# Altium PCB MotorBoard.PcbDoc (part 2 of 2)
Units mm, origin at the board's own origin, x right, y up, seen from the top; angles counter-clockwise.
Board outline 21 x 37.5 mm, 8 copper layers (Top Layer, GND 1, Layer 3, PWR 1, GND 2, Layer 4, PWR 2, Bottom Layer), stack 1.994 mm thick; 130 components, 81 nets, 481 pads, 304 vias.
Unrouted connection lines stored in the file: 4.
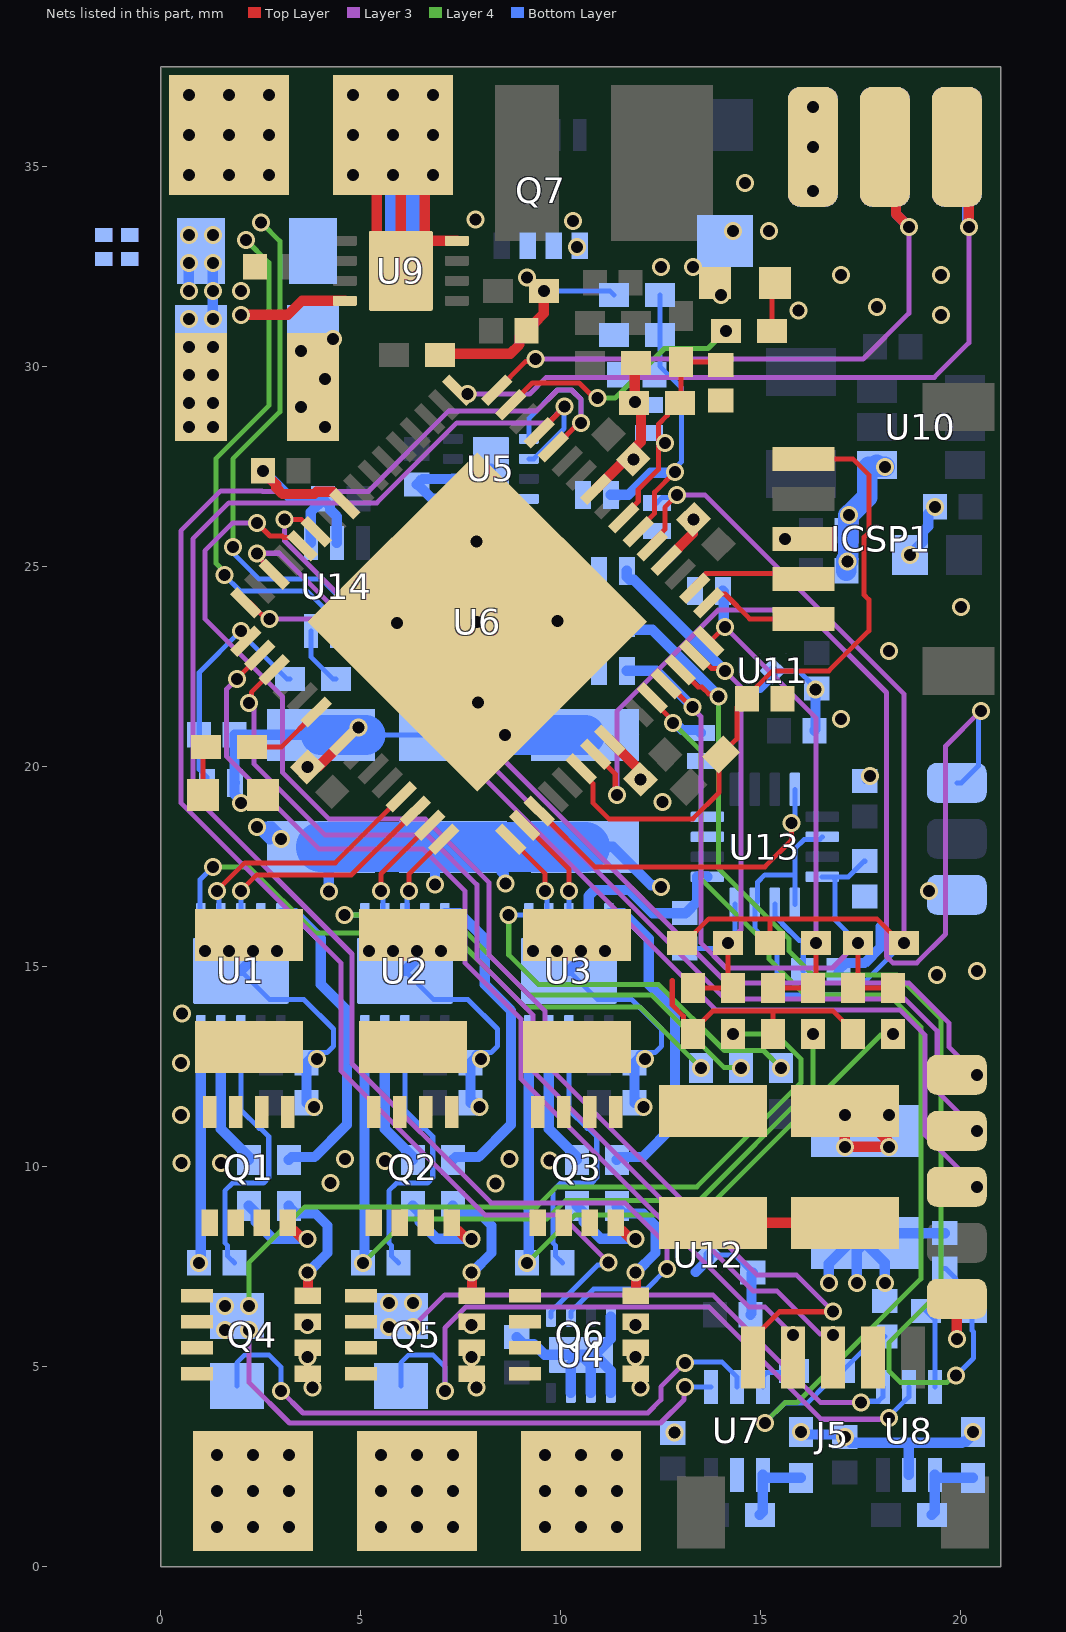
[diagram p8: the nets of this part, all layers, seen from the top]

## Via types
v1: diameter 0.45, hole 0.3, Top Layer to Bottom Layer, tented both sides, 304 vias

## Nets (pads, with @x,y where several pads share a name; then routed paths per layer and width w, separated by ;. In a path a pad name is that pad's centre, name@x,y a point inside that pad or via, vN(x,y) a via of type N, cw(c..) or ccw(c..) an arc to the next point about the centre after c; other vN are vias at no path point) (continued)
COMP_OUT_W: U6.4 U13.16 | length 8.5
  Top Layer w0.127: U6.4@9.456,18.896 10.851,17.5 15.1,17.5 15.766,18.166 v1(15.766,18.6)
  Bottom Layer w0.127: v1(15.766,18.6) 15.766,18.687 15.85,18.772 U13.16@15.85,19.435
DEBUG_LED0: R33.1 U6.54 | length 2
  Top Layer w0.127: R33.1@2.275,20.5 3.02,20.5 U6.54@3.891,21.371
DEBUG_LED1: R38.1 U6.31 | length 6.5
  Top Layer w0.127: U6.31@8.749,29.057 9.292,29.6 10.455,29.6 10.834,29.222 v1(10.921,29.222)
  Layer 4 w0.127: v1(10.921,29.222) 11.359,29.222 12.593,30.456 13.681,30.456 v1(14.125,30.9)
EN_U: R3.1 U1.6 | length 15.6
  Layer 4 w0.127: v1(1.3,17.5) 2.2,17.5 3.852,15.848 7.252,15.848 9.1,14 11.975,14 v1(13.5,12.475)
  Bottom Layer w0.127: U1.6@1,16.3 0.984,16.316 0.984,17.184 v1(1.3,17.5)
EN_V: R9.1 U2.6 | length 12
  Layer 4 w0.127: v1(4.598,16.3) 7.2,16.3 9.2,14.3 12.263,14.3 14.084,12.478 14.497,12.478 v1(14.5,12.475)
  Bottom Layer w0.127: v1(4.598,16.3) U2.6@5.1,16.3
EN_W: R14.1 U3.6 | length 9.5
  Layer 4 w0.127: v1(8.698,16.3) 8.698,15.302 9.446,14.554 12.446,14.554 14.091,12.909 15.065,12.909 v1@15.497,12.478
  Bottom Layer w0.127: v1(8.698,16.3) U3.6@9.2,16.3
  other v1: 15.5,12.475
ENC.A: J5.3 U6.51 | length 25
  Top Layer w0.127: v1(2.2,21.6) 2.262,21.662 2.262,21.863 U6.51@2.83,22.431
  Layer 3 w0.127: v1(2.2,21.6) 2.325,21.6 2.325,20.075 4.1,18.3 6.653,18.3 7.9,17.053 7.9,15.2 9.3,13.8 9.3,12.4 14.8,6.9 15.4,6.9 16.483,5.817 16.783,5.817 v1(16.8,5.8)
ENC.B: J5.4 U6.50 | length 25.5
  Top Layer w0.127: v1(1.9,22.2) 1.9,22.204 2.477,22.781 U6.50@2.477,22.785 ; J5.4@15.8,5.232 v1(15.8,5.8)
  Layer 3 w0.127: v1(1.9,22.2) 1.646,21.946 1.646,20.254 3.951,17.949 6.551,17.949 7.6,16.9 7.6,15.1 9,13.7 9,12.2 14.7,6.5 15.1,6.5 v1(15.8,5.8)
ENC.I: J5.5 U6.44 | length 33.3
  Top Layer w0.127: v1(2.4,26.1) 2.731,25.769 3.036,25.769 3.071,25.733 3.325,25.733 U6.44@3.537,25.521 ; J5.5@14.8,5.232 14.8,5.707 15.47,6.377 v1(16.811,6.377)
  Layer 3 w0.127: v1(2.4,26.1) 1.8,26.1 1.1,25.4 1.1,23.7 3.039,21.761 3.039,19.861 4.2,18.7 6.612,18.7 8.2,17.112 8.2,15.3 9.6,13.9 9.6,12.6 14.9,7.3 15.888,7.3 v1(16.811,6.377)
GND: C2.2 C3.2 C5.2 C6.2 C8.2 C9.2 C10.1 C11.1 C12.1 C13.1 C14.1 C15.1 C16.1 C17.1 C18.2 C20.1 C21.1 C22.1 C23.1 C24.1 C25.2 C28.1 C29.1 C30.1 C31.1 C32.1 C33.1 C34.1 C35.1 C36.1 C37.2 C38.1 C41.1 C42.1 C43.1 C44.1 C45.1 C46.1 C47.1 C48.1 C49.1 C50.2 C51.2 C52.2 C53.2 D1.1 D2.1 D3.1 D4.1 D5.1 D6.1 D7.1 D8.1 D9.2 D10.1 D11.2 D12.1 ICSP1.3 J5.2 pad.1@5.8,35.8 pad.1@16.3,35.5 pad.1@19.9,6.7 pad.1@19.9,16.8 Q4.1 Q4.2 Q4.3 Q5.1 Q5.2 Q5.3 Q6.1 Q6.2 Q6.3 R10.1 R16.1 R20.1 R29.2 R30.2 R46.1 R47.1 R48.1 U1.9 U1.11 U2.9 U2.11 U3.9 U3.11 U4.4 U4.5 U4.6 U4.7 U4.9 U5.4 U5.5 U5.6 U5.9 U6.9 U6.20 U6.25 U6.41 U6.56 U6.65 U7.2 U8.2 U9.4 U9.9 U10.4 U11.2 U11.5 U12.2 U12.5 U13.9 U13.11 U13.12 U14.1 U14.2 | length 113.6
  Top Layer w0.127: 12.785,14.653 12.785,14.046 13.064,13.767 13.064,13.637 R46.1@13.3,13.4 ; R46.1@13.3,13.325 R46.1@13.3,13.4 ; R47.1@15.3,13.325 15.3,13.89 ; R48.1@17.3,13.325 17.3,13.4 16.81,13.891 15.3,13.891 ; R46.1@13.3,13.4 13.791,13.891 15.3,13.891
  Top Layer w0.254: v1(2,19.1) 2.35,19.1 D9.2@2.55,19.3 ; v1(2.56,27.4) 2.56,27.38 2.886,27.054 2.886,26.975 3.04,26.821 3.84,26.821 3.898,26.878 4.297,26.878 4.594,26.582 U6.41@4.598,26.582 ; v1(3.664,19.999) 3.679,20.013 3.947,20.013 U6.56@4.598,20.663 ; v1(5.8,34.8) 6,34.6 U9.9@6,32.477 ; v1(5.8,35.8) 5.4,35.4 5.4,33 U9.9@6,32.4 ; v1(6.8,34.8) 6.6,34.6 U9.9@6.6,33.077 ; U9.4@7.4,33.15 6.673,33.15 U9.9@6.6,33.077 ; U6.25@10.87,26.936 11.623,27.689 v1(11.811,27.689) 11.811,27.934 12.004,28.126 12.004,28.927 11.831,29.1 R30.2@11.825,29.1 ; U6.9@11.223,20.663 11.989,19.898 v1(11.989,19.689) ; v1(11.85,29.125) 11.85,30.075 R20.1@11.875,30.1 ; U6.20@12.638,25.168 13.302,25.832 13.302,26.172 v1(13.316,26.186) ; C13.1@13.8,8.6 C14.1@17.1,8.6 ; v1(19.9,5.7) pad.1@19.9,6.7 ; U9.9@6,32.4 6.6,33 U9.9@6.6,33.077 ; U9.9@6,32.4 U9.9@6,32.477 ; U9.9@6,32.477 U9.9@6.6,33.077
  Bottom Layer w0.127: U1.11@2,14.9 2.72,14.18 3.582,14.18 4.318,13.444 4.318,13.016 4.159,12.857 3.877,12.857 3.819,12.799 C3.2@3.819,12.779 ; v1(4.943,20.98) 5.123,20.8 C47.1@7.3,20.8 v1(8.6,20.8) ; U2.11@6.1,14.9 6.82,14.18 7.682,14.18 8.418,13.444 8.418,13.016 8.259,12.857 7.977,12.857 7.919,12.799 C5.2@7.919,12.779 ; U3.11@10.2,14.9 10.92,14.18 11.782,14.18 12.518,13.444 12.518,13.016 12.359,12.857 12.077,12.857 12.019,12.799 C9.2@12.019,12.779 ; U12.5@13.7,7.8 14.34,7.8 14.78,7.36 C34.1@14.8,7.36 ; U11.5@15.3,22.4 15.94,22.4 16.38,21.96 C32.1@16.4,21.96 ; C41.1@17.6,19.64 v1(17.727,19.767)
  Bottom Layer w0.254: D10.1@1.85,19.6 1.845,19.605 1.845,20.795 C53.2@1.84,20.8 ; U1.11@2,14.9 2.5,15.4 U1.9@2.5,16.3 ; v1(2,19.1) 2,19.153 1.84,19.313 C53.2@1.84,20.8 ; v1(2.56,27.4) 3.26,26.7 C50.2@4.06,26.7 C50.2@4.06,26.68 ; U14.1@3.75,25.6 3.75,26.37 C50.2@4.06,26.68 ; C15.1@3.8,30.2 C15.1@3.8,29.9 ; v1(3.833,11.497) 3.73,11.6 C2.2@3.64,11.6 C3.2@3.64,12.6 3.799,12.759 3.799,12.799 3.819,12.779 v1(3.902,12.695) ; C48.1@4,20.8 C53.2@1.84,20.8 ; U14.2@4.4,25.6 4.4,26.261 4.233,26.428 4.233,26.507 C50.2@4.06,26.68 ; U2.11@6.1,14.9 6.6,15.4 U2.9@6.6,16.3 ; v1(7.967,11.49) 7.857,11.6 C6.2@7.74,11.6 C5.2@7.74,12.6 7.899,12.759 7.899,12.799 7.919,12.779 v1(8.002,12.695) ; C17.1@8.9,5.74 9.073,5.567 9.333,5.567 9.6,5.3 U4.9@10.5,5.3 ; U3.11@10.2,14.9 10.7,15.4 10.7,16.774 10.849,16.923 11.71,16.923 12.293,16.34 C42.1@13.1,16.34 13.12,16.34 13.404,16.624 13.404,17.247 13.407,17.25 U13.9@13.665,17.25 ; U4.7@10.25,4.35 10.25,5.05 U4.9@10.5,5.3 ; U4.6@10.75,4.35 10.75,5.05 U4.9@10.5,5.3 ; U4.5@11.25,4.35 11.25,4.9 U4.9@10.85,5.3 ; U4.4@11.25,6.25 11.25,5.7 U4.9@10.85,5.3 ; v1(12.067,11.49) 11.957,11.6 C8.2@11.84,11.6 C9.2@11.84,12.6 11.999,12.758 11.999,12.799 12.019,12.779 v1(12.102,12.695) ; C37.2@12.8,3.34 12.816,3.356 v1(12.844,3.356) ; U12.2@13.375,7.37 13.7,7.695 U12.5@13.7,7.8 ; C35.1@14.74,6.3 14.77,6.33 14.77,7.33 C34.1@14.8,7.36 ; U11.2@14.975,21.97 15.3,22.295 U11.5@15.3,22.4 ; v1(16,3.375) 16.067,3.308 17.032,3.308 v1(17.1,3.24) 17.24,3.1 18.632,3.1 ; C32.1@16.4,21.96 v1(16.37,21.93) C33.1@16.37,20.95 ; v1(16.7,7.1) 16.7,7.577 17.223,8.1 C36.1@17.6,8.1 ; C43.1@16.94,14.9 16.94,14.92 17.113,15.093 17.595,15.093 18,15.498 18,16 ; v1@16.962,21.162 v1(17,21.2) ; v1(17.4,7.1) 17.4,7.9 C36.1@17.6,8.1 ; v1(18.1,7.1) 18.1,7.6 C36.1@17.6,8.1 ; U8.2@18.7,2.3 18.7,3.032 18.632,3.1 ; v1(18.725,25.3) 19.048,25.623 19.048,25.873 19.187,26.012 19.187,26.327 v1(19.36,26.5) ; C52.2@19.6,8.34 17.84,8.34 C36.1@17.6,8.1 ; v1(20.3,3.375) 20.3,3.3 20.127,3.127 20.052,3.127 20.025,3.1 18.632,3.1 ; C15.1@3.8,29.9 3.8,29.5 3.85,29.45 4.15,29.45 4.3,29.6 4.3,29.9 4.1,29.9 C15.1@3.8,29.9 ; U4.9@10.5,5.3 U4.9@10.85,5.3 ; C33.1@16.37,20.95 16.34,20.92 C33.1@16.34,20.9 16.37,20.93 C33.1@16.37,20.95 ; C16.1@6.4,27.06 6.42,27.06 6.778,26.702 7.298,26.702 U5.5@7.3,26.7 7.302,26.702 7.852,26.702 8.25,27.1 U5.9@8.25,27.45 8,27.2 U5.6@7.3,27.2 7.298,27.198 6.538,27.198 C16.1@6.4,27.06
  Bottom Layer w0.512: C29.1@17.14,24.9 17.14,25.176 17.184,25.22 17.184,25.856 C28.1@17.14,25.9 ; C29.1@17.14,25.133 v1(17.169,25.133) ; C28.1@17.184,26 17.184,26.284 v1@17.211,26.311 ; v1(17.2,26.3) v1@17.211,26.311 ; U10.4@17.9,27.55 U10.4@17.95,27.5 ; v1(18.1,27.5) U10.4@17.95,27.5 ; v1@17.211,26.311 17.231,26.311 17.656,26.736 17.656,27.456 17.7,27.5 U10.4@17.95,27.5
  Bottom Layer w1: C48.1@4,20.8 C48.1@5.123,20.8 ; 6.1,33.2 pad.1@6.1,34.8 ; v1(8.6,20.8) C46.1@10.6,20.8
  other v1: 3.79,4.482 7.89,4.482 11.99,4.482 3.67,5.25 7.77,5.25 11.87,5.25 3.67,6.05 7.77,6.05 11.87,6.05 19.4,14.8 20.4,14.9 1.1,15.4 1.7,15.4 2.3,15.4 2.9,15.4 5.2,15.4 5.8,15.4 6.4,15.4 7,15.4 9.3,15.4 9.9,15.4 10.5,15.4 11.1,15.4 19.2,16.9 12.543,19.116 7.933,21.612 18.2,22.9 5.9,23.6 7.911,23.623 9.921,23.645 20,24 7.888,25.633 15.6,25.7 4.1,28.5 3.5,29 4.1,29.7 3.5,30.4 4.3,30.7 19.5,31.3 15.938,31.402 17.9,31.5 14,31.8 17,32.3 19.5,32.3 12.5,32.5 13.3,32.5 14.3,33.4 15.2,33.4 16.3,34.4 14.6,34.6 4.8,34.8 16.3,35.5 4.8,35.8 6.8,35.8 16.3,36.5 4.8,36.8 5.8,36.8 6.8,36.8
GU_H: Q1.4 R2.1 | length 2.7
  Top Layer w0.254: Q1.4@3.175,8.6 3.175,8.48 3.258,8.397 3.352,8.397 3.546,8.204 v1@3.666,8.204
  Bottom Layer w0.254: R2.1@2.2,9.025 2.373,8.852 2.373,8.627 2.8,8.2 v1(3.67,8.2)
GU_H_R: R2.2 U1.4 | length 3.6
  Bottom Layer w0.254: U1.4@1.5,13.5 1.5,10.95 2.2,10.25 R2.2@2.2,10.175
GU_L: Q4.4 R6.1 | length 3.2
  Top Layer w0.254: Q4.4@3.67,6.775 3.681,6.786 3.681,7.351 v1@3.692,7.362
  Bottom Layer w0.254: R6.1@3.2,9.025 3.2,9.006 3.373,8.833 3.867,8.833 4.169,8.531 4.169,7.845 3.686,7.362 v1(3.67,7.362)
GU_L_R: R6.2 U1.10 | length 8
  Bottom Layer w0.254: U1.10@3,16.3 3,16.334 3.007,16.341 3.359,16.341 4,15.7 4,14.563 4.652,13.911 4.652,11.052 3.846,10.246 3.271,10.246 R6.2@3.2,10.175
GV_H: Q2.4 R7.1 | length 2.7
  Top Layer w0.254: Q2.4@7.275,8.6 7.275,8.48 7.358,8.397 7.452,8.397 7.646,8.204 v1@7.766,8.204
  Bottom Layer w0.254: R7.1@6.3,9.025 6.473,8.852 6.473,8.627 6.9,8.2 v1(7.77,8.2)
GV_H_R: R7.2 U2.4 | length 3.6
  Bottom Layer w0.254: U2.4@5.6,13.5 5.6,10.95 6.3,10.25 R7.2@6.3,10.175
GV_L: Q5.4 R12.1 | length 3.2
  Top Layer w0.254: Q5.4@7.77,6.775 7.781,6.786 7.781,7.351 v1@7.792,7.362
  Bottom Layer w0.254: R12.1@7.3,9.025 7.3,9.006 7.473,8.833 7.967,8.833 8.269,8.531 8.269,7.845 7.786,7.362 v1(7.77,7.362)
GV_L_R: R12.2 U2.10 | length 8
  Bottom Layer w0.254: U2.10@7.1,16.3 7.1,16.334 7.107,16.341 7.459,16.341 8.1,15.7 8.1,14.563 8.752,13.911 8.752,11.052 7.946,10.246 7.371,10.246 R12.2@7.3,10.175
GW_H: Q3.4 R13.1 | length 2.7
  Top Layer w0.254: Q3.4@11.375,8.6 11.375,8.48 11.458,8.397 11.552,8.397 11.746,8.204 v1@11.866,8.204
  Bottom Layer w0.254: R13.1@10.4,9.025 10.573,8.852 10.573,8.627 11,8.2 v1(11.87,8.2)
GW_H_R: R13.2 U3.4 | length 3.6
  Bottom Layer w0.254: U3.4@9.7,13.5 9.7,10.95 10.4,10.25 R13.2@10.4,10.175
GW_L: Q6.4 R15.1 | length 3.2
  Top Layer w0.254: Q6.4@11.87,6.775 11.881,6.786 11.881,7.351 v1@11.892,7.362
  Bottom Layer w0.254: R15.1@11.4,9.025 11.4,9.006 11.573,8.833 12.067,8.833 12.369,8.531 12.369,7.845 11.886,7.362 v1(11.87,7.362)
GW_L_R: R15.2 U3.10 | length 8
  Bottom Layer w0.254: U3.10@11.2,16.3 11.2,16.334 11.207,16.341 11.559,16.341 12.2,15.7 12.2,14.563 12.852,13.911 12.852,11.052 12.046,10.246 11.471,10.246 R15.2@11.4,10.175
HALL_OUT1: pad.1@19.9,9.5 U6.48 | length 26.3
  Top Layer w0.127: U6.48@2.123,24.107 2.217,24.107 2.562,23.762 2.659,23.762 v1(2.721,23.7)
  Top Layer w0.254: pad.1@19.9,9.5 v1(20.4,9.5)
  Layer 3 w0.127: v1(2.721,23.7) 4.1,23.7 13.884,13.916 18.484,13.916 19.1,13.3 19.1,10.8 v1(20.4,9.5)
HALL_OUT2: pad.1@19.9,12.3 U6.43 | length 25.1
  Top Layer w0.127: v1(3.096,26.184) 3.51,26.184 3.82,25.875 U6.43@3.891,25.875
  Top Layer w0.254: pad.1@19.9,12.3 v1(20.4,12.3)
  Layer 3 w0.127: v1(3.096,26.184) 3.096,25.645 14.141,14.6 18.7,14.6 19.7,13.6 19.7,13 v1(20.4,12.3)
HALL_OUT3: pad.1@19.9,10.9 U6.46 | length 26.1
  Top Layer w0.127: v1(2.4,25.339) 2.4,25.292 2.83,24.861 U6.46@2.83,24.814
  Top Layer w0.254: pad.1@19.9,10.9 v1(20.4,10.9)
  Layer 3 w0.127: v1(2.4,25.339) 2.961,25.339 14.1,14.2 18.6,14.2 19.411,13.389 19.411,11.889 v1(20.4,10.9)
HB_U: C1.2 U1.3 | length 7.2
  Bottom Layer w0.127: C1.2@1.84,7.6 1.664,7.776 1.664,8.036 1.6,8.1 1.6,9.4 1.796,9.596 2.565,9.596 2.699,9.729 2.699,10.758 2.494,10.963 2.458,10.963 2,11.42 U1.3@2,13.5
HB_V: C4.2 U2.3 | length 7.2
  Bottom Layer w0.127: C4.2@5.94,7.6 5.764,7.776 5.764,8.036 5.7,8.1 5.7,9.4 5.896,9.596 6.665,9.596 6.799,9.729 6.799,10.758 6.594,10.963 6.558,10.963 6.1,11.42 U2.3@6.1,13.5
HB_W: C7.2 U3.3 | length 7.2
  Bottom Layer w0.127: C7.2@10.04,7.6 9.864,7.776 9.864,8.036 9.8,8.1 9.8,9.4 9.996,9.596 10.765,9.596 10.899,9.729 10.899,10.758 10.694,10.963 10.658,10.963 10.2,11.42 U3.3@10.2,13.5
ISNS_U: C51.1 D4.2 R32.2 U6.12 | length 28.7
  Top Layer w0.127: U6.12@12.284,21.724 12.284,21.67 12.8,21.154 v1(12.8,21.1)
  Layer 4 w0.127: v1(12.8,21.1) 13.5,20.4 13.5,17.2 15.2,15.5 15.2,15.2 16.1,14.3 18.2,14.3 19,13.5 19,7.2 15.905,4.105 15.605,4.105 v1(15.1,3.6)
  Bottom Layer w0.127: v1(15.1,3.6) 15.591,4.091 16.162,4.091 16.663,4.593 16.663,4.664 16.9,4.9 R32.2@16.975,4.9 17.05,4.9 17.674,5.524 17.863,5.524 C51.1@18.1,5.76
  Bottom Layer w0.254: v1(12.8,21.1) 12.853,21.1 13.03,20.923 13.427,20.923 D4.2@13.5,20.85
ISNS_U_R: R32.1 U7.6 | length 1.1
  Bottom Layer w0.127: U7.6@15.05,4.5 15.05,4.75 15.162,4.862 15.787,4.862 R32.1@15.825,4.9
ISNS_V: C52.1 D7.2 R34.2 U6.14 | length 30.4
  Top Layer w0.127: U6.14@12.991,22.431 13.001,22.431 13.435,21.998 13.525,21.998 13.698,21.824 13.885,21.824 v1(13.947,21.762)
  Layer 4 w0.127: v1(13.947,21.762) 13.947,17.453 15.7,15.7 15.7,15.4 16.3,14.8 18.4,14.8 19.5,13.7 19.5,6.9 18.2,5.6 18.2,4.9 18.496,4.604 19.651,4.604 19.824,4.777 v1(19.877,4.777)
  Bottom Layer w0.127: C52.1@19.6,7.46 19.62,7.46 19.857,7.224 19.857,7.203 19.964,7.096 19.964,6.636 20.2,6.4 R34.2@20.275,6.4 20.275,5.913 20.316,5.872 20.316,5.216 v1(19.877,4.777)
  Bottom Layer w0.254: D7.2@11.65,23.6 11.65,23.498 11.723,23.425 12.284,23.425 v1(13.947,21.762)
ISNS_V_R: R34.1 U8.6 | length 2
  Bottom Layer w0.127: R34.1@19.125,6.4 19.35,6.175 U8.6@19.35,4.5
ISNS_VIN: C53.1 D10.2 R35.2 U6.49 | length 6.1
  Bottom Layer w0.127: D10.2@1.15,19.6 1.15,19.75 0.96,19.94 C53.1@0.96,20.8 0.96,22.36 v1(2,23.4) 2,23.35 3.15,22.2 R35.2@3.225,22.2
ISNS_VIN_R: R35.1 U14.6 | length 1.5
  Bottom Layer w0.127: U14.6@3.75,23.4 3.75,22.75 4.3,22.2 R35.1@4.375,22.2
MCLR: C25.1 ICSP1.1 R11.1 U6.7 | length 16.8
  Top Layer w0.127: U6.7@10.516,19.956 10.516,19.862 10.8,19.579 10.8,19.1 11.2,18.7 13.3,18.7 13.954,19.354 13.954,20.254 R11.1@14.007,20.307 14.4,20.7 14.4,21.5 15.3,22.4 16.7,22.4 17.7,23.4 17.7,24.178 17.584,24.294 17.584,25.739 17.7,25.855 17.7,27.3 17.3,27.7 ICSP1.1@16.068,27.7
NetD9_1: D9.1 R33.2 | length 1.2
  Top Layer w0.127: D9.1@1.05,19.3 1.05,20.425 R33.2@1.125,20.5
NetD11_1: D11.1 R38.2 | length 1.2
  Top Layer w0.127: R38.2@15.275,30.9 15.275,32.025 D11.1@15.35,32.1
OUT_U: pad.1@2.3,1.9 R5.1 U7.5 | length 15.2
  Layer 3 w0.127: v1(3,4.4) 3.552,3.848 12.173,3.848 12.5,4.174 12.5,4.5 v1(13.1,5.1)
  Bottom Layer w0.127: R5.1@1.9,4.525 1.9,5.1 2.1,5.3 2.7,5.3 3,5 v1(3,4.4) ; v1(13.1,5.1) 13.116,5.116 14.035,5.116 14.4,4.75 U7.5@14.4,4.5
  other v1: 1.4,1 2.3,1 3.2,1 1.4,1.9 2.3,1.9 3.2,1.9 1.4,2.8 2.3,2.8 3.2,2.8
OUT_V: pad.1@6.4,1.9 R8.1 U8.5 | length 17.5
  Layer 3 w0.127: v1(7.1,4.4) 7.1,5.968 7.632,6.5 13.7,6.5 16.511,3.689 18.166,3.689 v1(18.2,3.723)
  Bottom Layer w0.127: R8.1@6,4.525 6,5.1 6.2,5.3 6.8,5.3 7.1,5 v1(7.1,4.4) ; v1(18.2,3.723) 18.2,3.75 18.7,4.25 U8.5@18.7,4.5
  other v1: 5.5,1 6.4,1 7.3,1 5.5,1.9 6.4,1.9 7.3,1.9 5.5,2.8 6.4,2.8 7.3,2.8
OUT_W: C7.1 pad.1@10.5,1.9 Q3.1 Q3.2 Q3.3 Q6.5 Q6.6 Q6.7 Q6.8 R45.2 U3.5 | length 17.4
  Layer 4 w0.127: v1(9.16,7.6) 10.36,8.8 13.5,8.8 17.996,13.296 18.271,13.296 v1(18.3,13.325)
  Bottom Layer w0.254: C7.1@9.16,7.62 v1(9.16,7.6) 9.2,7.64 U3.5@9.2,13.5
  other v1: 9.6,1 10.5,1 11.4,1 9.6,1.9 10.5,1.9 11.4,1.9 9.6,2.8 10.5,2.8 11.4,2.8
PGC: ICSP1.5 U6.17 | length 2.7
  Top Layer w0.127: U6.17@13.698,24.107 13.91,24.319 14.104,24.319 14.724,23.7 ICSP1.5@16.068,23.7
PGD: ICSP1.4 U6.18 | length 3
  Top Layer w0.127: U6.18@13.345,24.461 13.345,24.555 13.613,24.823 13.613,24.835 15.933,24.835 ICSP1.4@16.068,24.7
PWM_UH: U1.7 U6.60 | length 6.2
  Top Layer w0.127: v1(1.4,16.9) 2.1,17.6 4.363,17.6 U6.60@6.012,19.249
  Bottom Layer w0.127: v1(1.4,16.9) 1.45,16.85 1.45,16.35 U1.7@1.5,16.3
PWM_UL: U1.8 U6.61 | length 5.8
  Top Layer w0.127: v1(2,16.9) 2.4,17.3 4.77,17.3 U6.61@6.366,18.896
  Bottom Layer w0.127: U1.8@2,16.3 v1(2,16.9)
PWM_VH: U2.7 U6.62 | length 2.8
  Top Layer w0.127: v1(5.5,16.9) 5.5,17.323 U6.62@6.719,18.542
  Bottom Layer w0.127: v1(5.5,16.9) 5.55,16.85 5.55,16.35 U2.7@5.6,16.3
PWM_VL: U2.8 U6.63 | length 2.3
  Top Layer w0.127: v1(6.2,16.9) 6.2,17.316 U6.63@7.073,18.189
  Bottom Layer w0.127: U2.8@6.1,16.3 6.15,16.35 6.15,16.85 v1(6.2,16.9)
PWM_WH: U3.7 U6.2 | length 2.3
  Top Layer w0.127: U6.2@8.749,18.189 9.6,17.337 v1(9.6,16.9)
  Bottom Layer w0.127: v1(9.6,16.9) 9.65,16.85 9.65,16.35 U3.7@9.7,16.3
PWM_WL: U3.8 U6.3 | length 2.7
  Top Layer w0.127: U6.3@9.102,18.542 10.2,17.444 v1(10.2,16.9)
  Bottom Layer w0.127: U3.8@10.2,16.3 v1(10.2,16.9)
RX: pad.1@18.1,35.5 U6.32 | length 17.8
  Top Layer w0.127: U6.32@8.395,29.41 9.114,30.129 9.308,30.129 v1(9.37,30.191)
  Top Layer w0.254: pad.1@18.1,35.5 18.376,35.224 18.376,33.824 v1(18.7,33.5)
  Layer 3 w0.127: v1(9.37,30.191) 17.554,30.191 18.7,31.337 v1(18.7,33.5)
  Bottom Layer w0.254: pad.1@18.1,35.5 18.376,35.224 18.376,33.824 v1(18.7,33.5)
SCL: U4.2 U5.2 U6.29 | length 41.4
  Top Layer w0.127: U6.29@9.456,28.35 9.456,28.361 10.092,28.997 v1(10.092,29.008)
  Layer 3 w0.127: v1(10.092,29.008) 9.684,28.6 7.4,28.6 5.4,26.6 1.7,26.6 0.8,25.7 0.8,19.3 4.782,15.318 4.782,12.579 8.261,9.1 11.6,9.1 12.651,8.049 v1(12.651,7.449)
  Bottom Layer w0.127: U5.2@9.2,27.7 9.325,27.7 9.509,27.884 ; 9.511,27.884 10.084,28.458 10.084,29 v1(10.092,29.008) ; U4.2@10.25,6.25 10.25,6.375 10.435,6.559 ; 10.435,6.561 10.821,6.947 12.148,6.947 v1(12.651,7.449)
SDA: U4.1 U5.1 U6.28 | length 41.8
  Top Layer w0.127: U6.28@9.809,27.996 9.853,27.996 10.457,28.6 v1(10.5,28.6)
  Layer 3 w0.127: v1(10.5,28.6) 10.507,28.607 10.507,29.18 10.264,29.423 9.92,29.423 9.396,28.9 7.2,28.9 5.184,26.884 2.544,26.884 2.528,26.9 1.5,26.9 0.5,25.9 0.5,19.1 4.5,15.1 4.5,12.4 8.1,8.8 9.998,8.8 v1(11.196,7.602)
  Bottom Layer w0.127: U5.1@9.2,28.2 9.2,28.704 9.92,29.423 10.264,29.423 10.507,29.18 10.507,28.607 v1(10.5,28.6) ; U4.1@9.75,6.25 9.75,6.375 9.935,6.559 ; 9.935,6.561 10.915,7.541 11.134,7.541 v1(11.196,7.602)
SERVO: pad.1@19.9,19.6 U6.8 | length 28.5
  Top Layer w0.127: U6.8@10.87,20.31 11.36,19.82 11.36,19.34 v1(11.4,19.3)
  Layer 3 w0.127: v1(11.4,19.3) 11.4,21.388 13.928,23.915 16.085,23.915 18.143,21.857 18.143,15.257 18.3,15.1 18.9,15.1 19.616,15.816 19.616,20.516 v1(20.5,21.4)
  Bottom Layer w0.127: pad.1@19.9,19.6 20.016,19.6 20.438,20.022 20.438,21.338 v1(20.5,21.4)
SH_U_R: C1.1 Q1.1 Q1.2 Q1.3 Q4.5 Q4.6 Q4.7 Q4.8 R5.2 R41.2 U1.5 U7.4 | length 39.1
  Layer 3 w0.127: v1(2.2,5.925) 2.2,4.612 3.219,3.594 12.494,3.594 13.083,4.183 13.083,4.483 v1(13.1,4.5)
  Layer 4 w0.127: v1(2.2,6.525) 2.2,7.6 3.6,9 9.4,9 9.9,9.5 13.4,9.5 16,12.1 16,12.7 15.375,13.325 v1(14.3,13.325)
  Bottom Layer w0.127: v1(13.1,4.5) U7.4@13.75,4.5
  Bottom Layer w0.254: v1(0.96,7.6) 1,7.64 U1.5@1,13.5
  other v1: 1.6,5.925 1.6,6.525
SH_V_R: C4.1 Q2.1 Q2.2 Q2.3 Q5.5 Q5.6 Q5.7 Q5.8 R8.2 R43.2 U2.5 U8.4 | length 33.8
  Layer 3 w0.127: v1(6.3,6) 7.1,6.8 13.8,6.8 16.495,4.105 v1(17.5,4.105)
  Layer 4 w0.127: v1(5.06,7.6) 6.16,8.7 9.659,8.7 10.113,9.154 13.454,9.154 16.3,12 v1(16.3,13.325)
  Bottom Layer w0.127: v1(17.5,4.105) 17.534,4.139 17.938,4.139 18.05,4.25 U8.4@18.05,4.5
  Bottom Layer w0.254: v1(5.06,7.6) 5.093,7.633 5.093,13.493 U2.5@5.1,13.5
  other v1: 5.7,6 5.7,6.6 6.3,6.6
SNS_U: C42.2 D6.2 R40.2 R41.1 R46.2 U6.15 U13.8 | length 15.9
  Top Layer w0.127: R46.2@13.3,14.475 R41.1@14.3,14.475 14.175,14.6 v1(14.175,15.6) ; U6.15@13.345,22.785 13.439,22.785 13.762,22.462 14.038,22.462 v1(14.1,22.4)
  Layer 3 w0.127: v1@14.109,22.391 14.499,22.001 14.499,15.924 v1(14.175,15.6)
  Bottom Layer w0.127: C42.2@13.1,15.46 13.948,15.46 14.088,15.6 v1(14.175,15.6) 14.175,15.687 14.35,15.862 U13.8@14.35,16.565
  Bottom Layer w0.254: D6.2@11.65,24.9 11.65,24.75 11.723,24.677 11.823,24.677 v1(14.1,22.4)
SNS_V: C43.2 D5.2 R42.2 R43.1 R47.2 U6.16 U13.6 | length 14.9
  Top Layer w0.127: U6.16@13.698,23.138 13.738,23.138 v1(14.1,23.5) ; R47.2@15.3,14.475 R43.1@16.3,14.475 16.375,14.55 v1(16.375,15.6)
  Layer 3 w0.127: v1(14.1,23.5) 16.375,21.225 v1(16.375,15.6)
  Bottom Layer w0.127: U13.6@15.35,16.565 15.35,16.275 15.53,16.095 15.53,16.085 15.959,15.655 16.14,15.655 ; C43.2@16.06,14.9 16.06,15.575 16.14,15.655 ; v1@16.448,15.6 v1(16.375,15.6) 16.32,15.655 16.14,15.655
  Bottom Layer w0.254: D5.2@14.05,24.4 14.075,24.375 14.075,23.525 v1(14.1,23.5)
SNS_W: C44.2 D8.2 R44.2 R45.1 R48.2 U6.13 U13.4 | length 18.7
  Top Layer w0.127: U6.13@12.638,22.078 12.677,22.078 13.259,21.496 v1(13.298,21.496) ; v1(17.425,15.6) 17.425,14.6 R48.2@17.3,14.475 R45.1@18.3,14.475
  Layer 3 w0.127: v1(13.298,21.496) 13.298,21.462 13.5,21.26 13.5,15.6 14.132,14.968 16.793,14.968 v1(17.425,15.6)
  Bottom Layer w0.127: U13.4@16.535,17.25 U13.4@16.793,17.25 ; v1(17.425,15.6) 16.859,16.166 16.859,17.183 U13.4@16.793,17.25 ; C44.2@17.6,17.64 17.58,17.64 17.19,17.25 U13.4@16.793,17.25
  Bottom Layer w0.254: D8.2@11.65,22.4 12.393,22.4 v1(13.298,21.496)
SNS_X: D3.2 R40.1 R42.1 R44.1 U6.21 U13.2 U13.5 U13.7 | length 32.6
  Top Layer w0.127: U6.21@12.284,25.521 12.284,25.615 12.6,25.931 12.6,26.488 12.9,26.788 v1(12.9,26.8) ; R40.1@13.025,15.6 13.1,15.6 13.7,16.2 15.2,16.2 ; R42.1@15.225,15.6 15.225,16.175 15.2,16.2 ; v1(18.575,15.6) 18.5,15.6 17.9,16.2 15.2,16.2
  Layer 3 w0.127: v1(12.9,26.8) 13.6,26.8 18.575,21.825 v1(18.575,15.6)
  Bottom Layer w0.127: D3.2@12.4,26.6 12.537,26.736 12.749,26.736 12.813,26.8 v1(12.9,26.8) ; U13.5@15.85,16.565 15.85,17.257 ; U13.2@16.535,18.25 16.469,18.183 16.084,18.183 15.85,17.95 15.85,17.257 ; v1(18.575,15.6) 17.275,14.3 15.571,14.3 15.4,14.471 15.4,15.4 14.85,15.95 U13.7@14.85,16.565 14.917,16.631 14.917,17.117 15.1,17.3 15.807,17.3 15.85,17.257
TX: pad.1@19.9,35.5 U6.33 | length 20.5
  Top Layer w0.127: U6.33@7.426,29.41 7.521,29.316 v1(7.667,29.316)
  Top Layer w0.254: pad.1@19.9,35.5 20.2,35.2 v1(20.2,33.5)
  Layer 3 w0.127: v1(7.667,29.316) 9.216,29.316 9.636,29.736 19.336,29.736 20.2,30.6 v1(20.2,33.5)
  Bottom Layer w0.254: pad.1@19.9,35.5 20.162,35.238 20.162,33.538 v1(20.2,33.5)
U_ISNS_REF: R4.1 R10.2 U7.1 | length 2
  Bottom Layer w0.254: R4.1@14.975,1.3 15.05,1.375 U7.1@15.05,2.3 15.05,2.273 15.098,2.225 R10.2@16,2.225
V_ISNS_REF: R1.1 R16.2 U8.1 | length 2
  Bottom Layer w0.254: R1.1@19.275,1.3 19.35,1.375 U8.1@19.35,2.3 19.35,2.273 19.398,2.225 R16.2@20.3,2.225
VBAT: C10.2 C11.2 C12.2 C13.2 C14.2 C15.2 C19.1 C36.2 C38.2 C40.2 C46.2 C47.2 C48.2 Q1.5 Q1.6 Q1.7 Q1.8 Q2.5 Q2.6 Q2.7 Q2.8 Q3.5 Q3.6 Q3.7 Q3.8 Q7.1 Q7.2 Q7.3 R17.2 R18.1 R27.2 R31.2 R37.1 U9.8 | length 28.5
  Top Layer w0.254: v1(2,31.3) 3.177,31.3 3.527,31.65 U9.8@4.6,31.65 ; R17.2@6.975,30.3 7.004,30.329 7.852,30.329 7.855,30.326 8.739,30.326 8.967,30.554 C40.2@8.967,30.747 ; C40.2@9.14,30.9 9.14,30.92 9.313,31.093 9.333,31.093 9.575,31.335 v1(9.575,31.9) ; v1(17.1,11.3) C14.2@17.1,11.4 ; v1(18.2,11.3) 18.1,11.4 C14.2@17.1,11.4 ; C14.2@17.1,11.4 v1(17.1,10.5) v1(18.2,10.5) 18.2,10.623 18.073,10.75 17.423,11.4 C14.2@17.1,11.4
  Bottom Layer w0.127: v1(9.575,31.9) 11.225,31.9 R27.2@11.325,31.8
  Bottom Layer w0.254: v1(0.7,31.9) v1(0.7,32.6) ; v1(1.3,31.2) v1(1.3,31.9) v1(1.3,32.6) ; v1(2.4,18.5) v1@2.412,18.5 ; C48.2@2.722,18.19 v1@2.412,18.5 ; v1(3,18.2) 3,18.277 2.777,18.5 v1@2.412,18.5 ; C48.2@4,18 4.2,17.8 v1(4.2,16.885) ; v1(6.856,17.056) 6.856,17.556 C47.2@7.3,18 ; C47.2@8,18 8.523,17.477 8.523,17.377 8.578,17.322 8.578,17.125 v1(8.615,17.087) ; C46.2@10.6,18 11.3,18 12.262,17.038 12.462,17.038 v1(12.5,17)
  Bottom Layer w1.25: C48.2@4,18 C47.2@7.3,18 8,18 C46.2@10.6,18
  other v1: 4.247,9.594 8.362,9.586 0.521,10.1 1.5,10.1 5.6,10.146 9.718,10.159 4.6,10.2 8.721,10.2 0.5,11.3 0.5,12.6 0.532,13.834 0.7,28.5 1.3,28.5 0.7,29.1 1.3,29.1 0.7,29.8 1.3,29.8 0.7,30.5 1.3,30.5 0.7,31.2 2,31.9 9.15,32.234 10.4,33 0.7,33.3 1.3,33.3 10.302,33.648 7.868,33.68
VBAT_SNS_N: R37.2 U14.5 | length 12.8
  Layer 4 w0.127: v1(1.588,24.792) 1.588,24.879 1.384,25.082 1.384,27.712 2.7,29.028 2.7,32.602 v1(2.13,33.172)
  Bottom Layer w0.127: v1(1.588,24.792) 1.979,24.4 3.65,24.4 4.4,23.65 U14.5@4.4,23.4
VBAT_SNS_P: R36.1 U14.4 | length 13.1
  Layer 4 w0.127: v1(1.8,25.5) 1.8,27.7 2.976,28.875 2.976,33.14 v1@2.516,33.6
  Bottom Layer w0.127: v1(1.8,25.5) 1.862,25.438 1.862,25.289 2.451,24.7 4,24.7 5.05,23.65 U14.4@5.05,23.4
  other v1: 2.508,33.608
Vin: pad.1@1.7,35.8 R31.1 R36.2
  other v1: 0.7,34.8 1.7,34.8 2.7,34.8 0.7,35.8 1.7,35.8 2.7,35.8 0.7,36.8 1.7,36.8 2.7,36.8
VSNS_12V: C49.2 D1.2 R28.1 R30.1 U6.23 | length 5.8
  Top Layer w0.127: U6.23@11.577,26.228 11.577,26.277 11.935,26.635 11.935,26.935 12.44,27.44 v1@12.44,28.003 ; v1(12.6,28.1) 12.538,28.1 v1@12.44,28.003 ; C49.2@14,30.04 13.915,30.125 R28.1@13,30.125 13,29.125 R30.1@12.975,29.1 12.9,29.1 12.664,28.864 12.664,28.788 12.44,28.565 v1@12.44,28.003
VSNS_VBAT: C45.2 D2.2 R27.1 R29.1 U6.22 | length 8.4
  Top Layer w0.127: U6.22@11.931,25.875 11.931,25.922 12.346,26.337 12.346,26.865 12.85,27.37 v1(12.85,27.375)
  Bottom Layer w0.127: R27.1@12.475,31.8 R29.1@12.475,30.8 12.475,30.016 13.016,29.475 13.016,27.627 12.85,27.462 v1(12.85,27.375)
  Bottom Layer w0.254: D2.2@11.25,26.8 11.691,26.8 12.244,27.354 12.829,27.354 v1(12.85,27.375)
pads on no net: ICSP1.M J5.M U1.2 U2.2 U3.2 U4.3 U5.3 U6.1 U6.11 U6.24 U6.27 U6.30 U6.36 U6.37 U6.39 U6.40 U6.42 U6.45 U6.47 U6.52 U6.53 U6.55 U6.58 U6.59 U6.64 U13.3 U13.10 U13.13

## Polygon pours and split planes (outlines as drawn)
GND on Top Layer "GND_L01_P036" (solid, pour order 36): 0,0 0,37.5 21,37.5 21,0
VBAT on Top Layer "PolygonDirect" (solid, pour order 0): 1.5,25.9 1.9,26.3 1.9,29.9 2.6,30.6 2.6,34 0,34 0,14.3 1.5,14.3
GND on Top Layer "PolygonDirect" (solid, pour order 15): 3.209,6.29 3.409,6.49 4.109,6.49 4.309,6.29 4.309,4.09 4.209,3.99 3.909,3.99 3.209,4.69
GND on Top Layer "PolygonDirect" (solid, pour order 23): 7.309,6.29 7.509,6.49 8.209,6.49 8.409,6.29 8.409,4.09 8.309,3.99 8.009,3.99 7.309,4.69
GND on Top Layer "PolygonDirect" (solid, pour order 26): 11.409,6.29 11.609,6.49 12.309,6.49 12.509,6.29 12.509,4.09 12.409,3.99 12.109,3.99 11.409,4.69
OUT_W on Top Layer "PolygonDirect" (solid, pour order 18): 12.127,3.616 11.027,4.716 11.027,9.016 10.927,9.116 9.227,9.116 8.527,8.416 8.527,4.116 8.927,3.716 8.927,0.416 9.027,0.316 12.027,0.316 12.127,0.416
SH_U_R on Top Layer "PolygonDirect" (solid, pour order 17): 2.9,4.07 2.9,9.1 1.1,9.1 0.3,8.3 0.3,4.07
SH_V_R on Top Layer "PolygonDirect" (solid, pour order 5): 7,4.07 7,9.1 5.2,9.1 4.4,8.3 4.4,4.07
VBAT on Top Layer "PolygonDirect" (solid, pour order 12): 0,9.3 18.6,9.3 18.6,12.2 12.7,12.2 12.7,14.3 0,14.3
Vin on Bottom Layer "PolygonDirect" (solid, pour order 7): 4,37.5 4,34.4 4.4,34 4.4,32.075 3.2,32.075 3.2,33.4 2.5,34.1 0,34.1 0,37.5
GND on Bottom Layer "GND_L08_P037" (solid, pour order 37): 0,0 0,37.5 21.6,37.5 21.6,0
VBAT on Bottom Layer "PolygonDirect" (solid, pour order 20): 1.776,28 0,28 0,33.918 1.582,33.918 2,33.5 2,30.918 2,28.224
5VREG_SW on Bottom Layer "PolygonDirect" (solid, pour order 27): 15.1,29.2 16.2,28.1 18.4,28.1 18.4,29.6 17.6,29.6 17.2,30 17.2,30.5 15.1,30.5
OUT_U on Bottom Layer "PolygonDirect" (solid, pour order 28): 0.8,3.1 0.8,4.7 1.2,5.1 2.6,5.1 3,4.7 3,4.2 3.8,3.4 3.8,3.1
OUT_V on Bottom Layer "PolygonDirect" (solid, pour order 34): 4.9,3.1 4.9,4.7 5.3,5.1 6.7,5.1 7.1,4.7 7.1,4.2 7.9,3.4 7.9,3.1
VBAT on Bottom Layer "PolygonDirect" (solid, pour order 9): 7.5,34.1 7.5,33 9,31.5 10.2,31.5 10.9,32.2 10.9,34.1
VBAT on PWR 2 "VBAT_L07_P030" (solid, pour order 30): 0,0 0,37.5 21,37.5 21,0
12V on PWR 2 "PWR 2-12V" (solid, pour order 24): 3.2,10.7 3.6,10.3 13.5,10.3 21,17.8 21,37.5 12,37.5 11.1,36.6 11.1,33.8 11.6,33.3 13.3,33.3 14.4,32.2 14.4,17 11.4,14 3.6,14 3.2,13.6
GND on Layer 4 "GND_L06_P031" (solid, pour order 31): 0,0 0,37.5 21,37.5 21,0
3V3_MCU on Layer 4 "3V3_MCU_L06_P021" (solid, pour order 21): 2.4,28.2 3.4,29.2 12.7,29.2 15.9,26 15.9,20.7 14.1,18.9 4.1,18.9 2.4,20.6 2.4,24.8
GND on GND 1 "GND_L02_P014" (solid, pour order 14): 0,0 0,37.5 21,37.5 21,0
GND on GND 2 "GND_L05_P032" (solid, pour order 32): 0,0 0,37.5 21,37.5 21,0
GND on Layer 3 "GND_L03_P033" (solid, pour order 33): 0,0 0,37.5 21,37.5 21,0
VBAT on PWR 1 "VBAT_L04_P022" (solid, pour order 22): 0,0 0,37.5 21,37.5 21,0

## Silkscreen, mask and mechanical layers (free items; w line width, h text height)
Top Overlay:
  text "_" at 5.354,33.662 h1.25
  text "G" at 16.68,33.02 h0.7 r90
  text "+" at 1.354,32.846 h1.25
  text "RX" at 18.38,32.52 h0.7 r90
  text "TX" at 20.18,32.52 h0.7 r90
  text "ESC" at 15.015,17.8 h3.2
  text "v3.1" at 16.35,16.75 h0.7
  text "G" at 18.159,6.389 h0.7
Bottom Overlay:
  text "G" at 20.18,15.88 h0.7 r90
Board Outline:
  the board outline again, w0.254

## Dimensions
0,0 to 21,0 on Dimensions
0,37.5 to 0,0 on Dimensions